# Altium PCB PCB_P1.5_Ble1026_806_050421.PcbDoc
Units mil, origin at the board's own origin, x right, y up, seen from the top; angles counter-clockwise.
Board outline 2432.09 x 1418.79 mil, 2 copper layers (Top Layer, Bottom Layer); 43 components, 35 nets, 181 pads, 80 vias.
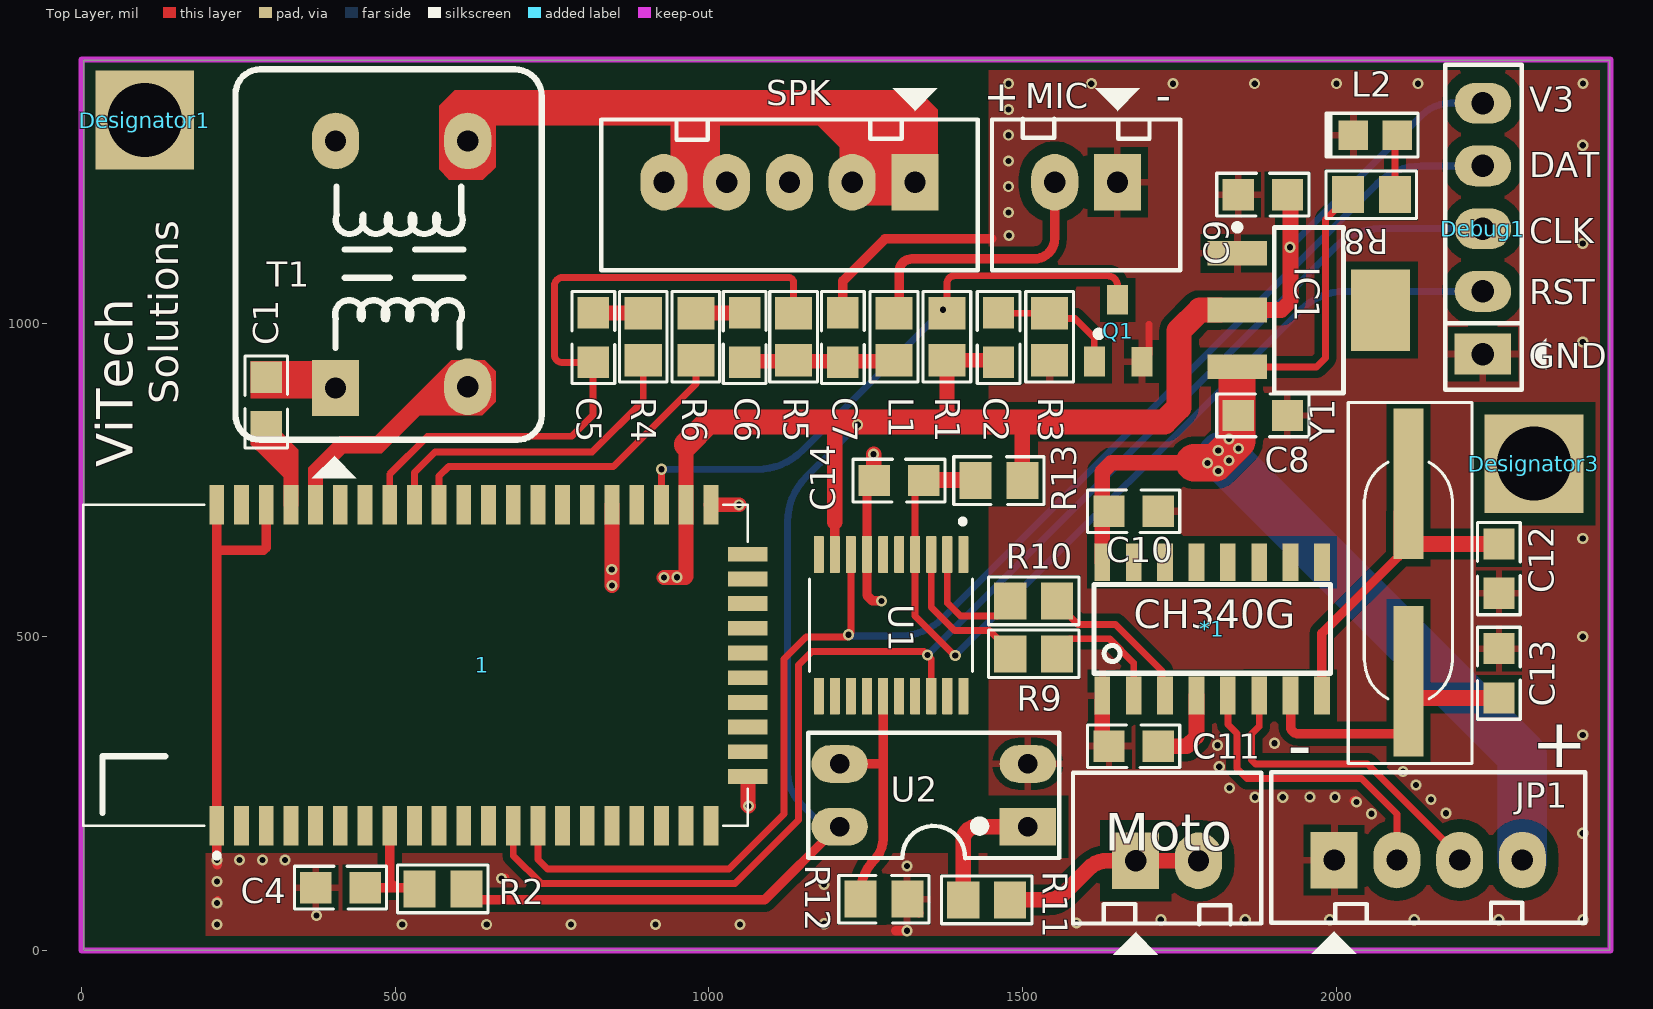
[diagram p0: Top Layer view]
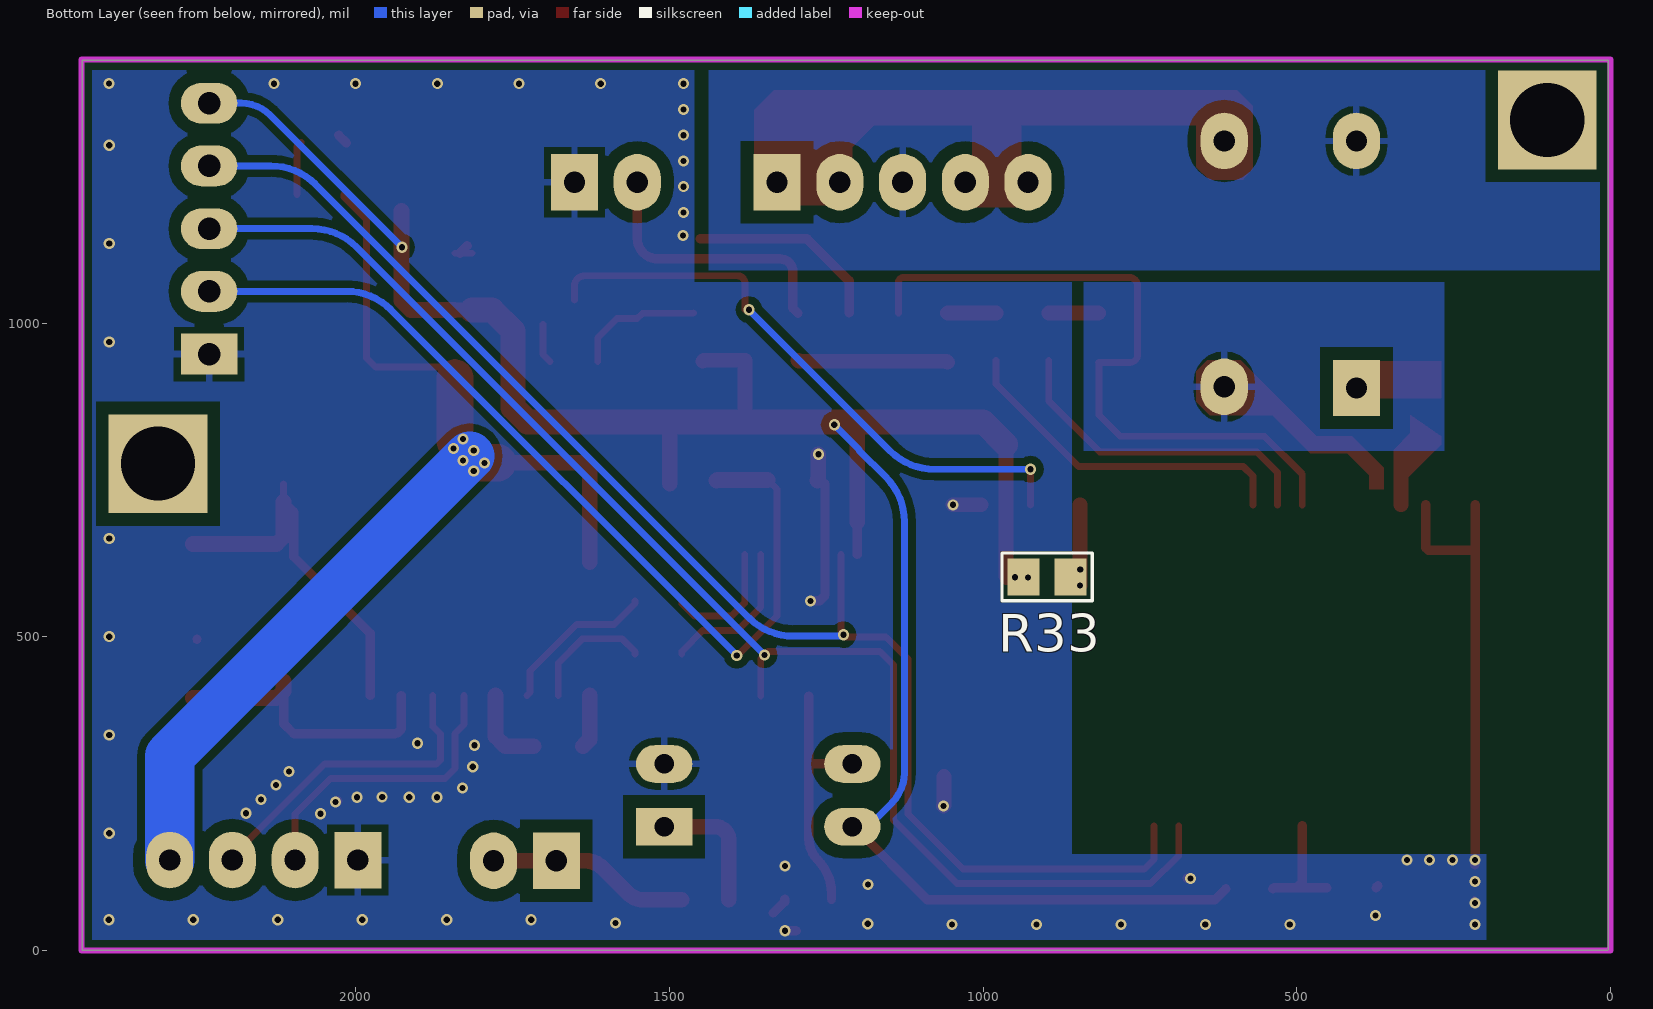
[diagram p1: Bottom Layer view, seen from below]
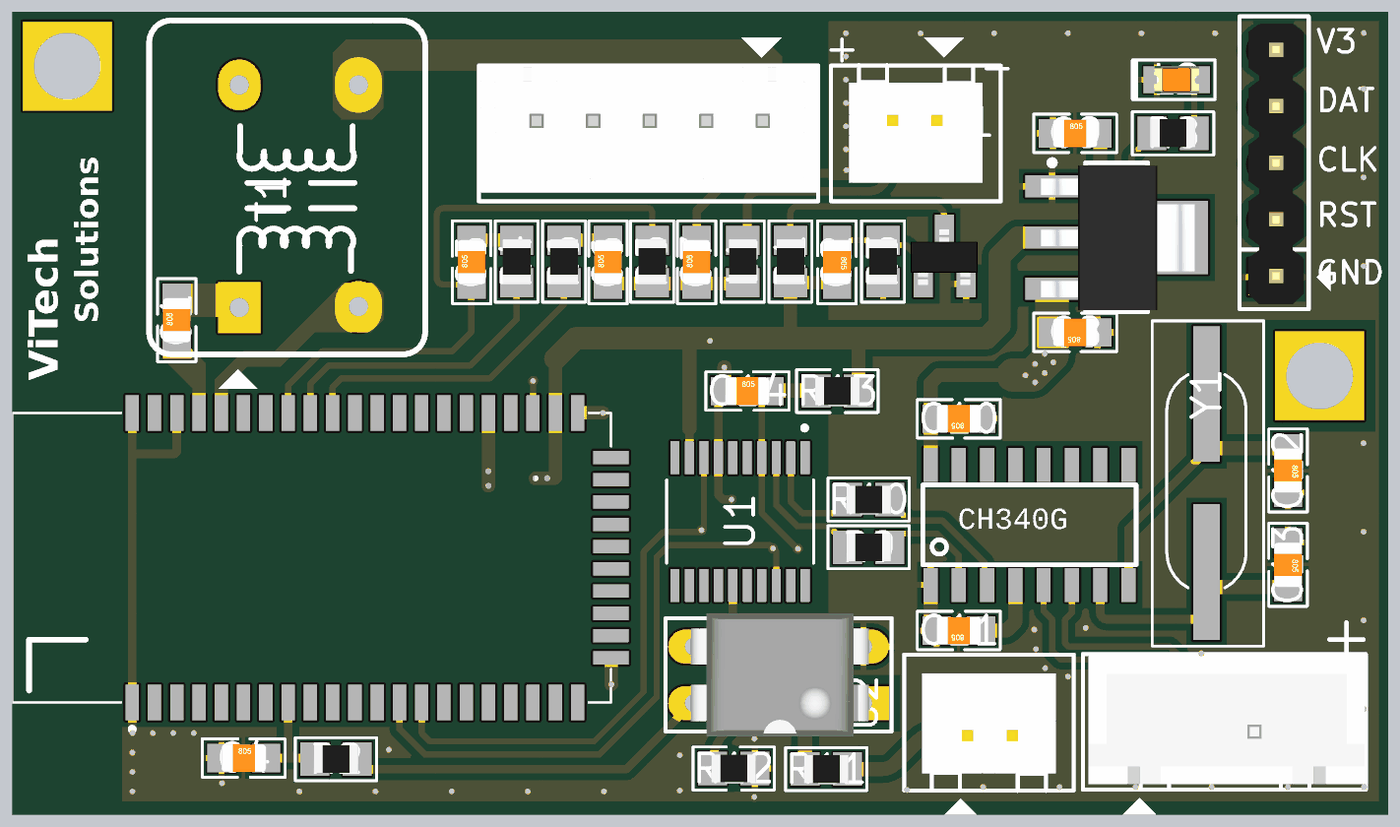
[diagram p2: 3D render of the assembled board from above, using the file's embedded part models]

## Layer stack, top to bottom
Top Solder: solder mask 0.4, Solder Resist, Dk 3.5
Top Layer: signal copper 1.4
Dielectric 1: dielectric 12.6, FR-4, Dk 4.8
Bottom Layer: signal copper 1.4
Bottom Solder: solder mask 0.4, Solder Resist, Dk 3.5

## Board outline
3.86,0.5 2435.94,0.5 2435.94,1419.29 3.86,1419.29

## Design rules (kind name [scope] priority, off if disabled: settings)
Clearance [All] p1: gap=12 except(20: THPad-THPad THPad-Fill THPad-Poly THPad-Region)
PlaneClearance [All] p1: clearance=39.37
PlaneConnect PlaneConnect_1 [All] p1: planeconnectstyle=Relief reliefexpansion=20 reliefentries=4 reliefconductorwidth=10 reliefairgap=10
PolygonConnect vias_connect [IsNamedPolygon('GND_BT_L01_P001') vs Isvia] p1: connectstyle=Direct reliefconductorwidth=10 reliefentries=4 polygonreliefangle="90 Angle" airgapwidth=10
PolygonConnect vias_connect_1 [IsNamedPolygon('GND_BT_L02_P000') vs Isvia] p2: connectstyle=Direct reliefconductorwidth=10 reliefentries=4 polygonreliefangle="90 Angle" airgapwidth=10
PolygonConnect Pad_connect [All] p3: connectstyle=Relief reliefconductorwidth=11 reliefentries=4 polygonreliefangle="90 Angle" airgapwidth=11
RoutingVias [All] p1: holewidth=9.84 width=17.72 viastyle="Through Hole" minholewidth=9.84 minwidth=17.72 maxholewidth=9.84 maxwidth=17.72
SolderMaskExpansion [All] p1: expansion=4
Width Width_1 [All] p1: maxlimit=59.06 minlimit=11 preferedwidth=47.24
28 further rules are at their usual default settings.

## Classes and differential pairs
net class Undefined: CLK DAT RX0 RX_PL

## Components (designator, comment, footprint, x,y, rotation, side; value= is the part's Value field where it differs from the comment)
1 "FSC-BT806" FSCBT806 548.35,444.68 r90 top locked
*1 "CH340G" CH340G 1802.05,512.64 r90 top
C1 "0.1µF" CAP_0805 294.41,874.52 r90 top
C2 "1uF" CAP_0805 1461.61,976.91 r270 top
C4 "100nF" CAP_0805 412.95,100.32 r0 top
C5 "0.1µF" CAP_0805 815.83,976.91 r90 top
C6 "0.1µF" CAP_0805 1056.89,976.91 r90 top
C7 "15pF" CAP_0805 1213.5,976.91 r90 top
C8 "1uF" CAP_0805 1882.81,852.84 r180 top
C9 "4.7uF" CAP_0805 1882.8,1204.82 r0 top
C10 "0.1uF" CAP_0805 1677.05,700.12 r180 top
C11 "0.1uF" CAP_0805 1677.05,325.79 r180 top
C12 "22pF" CAP_0805 2259.19,608.66 r270 top
C13 "22pF" CAP_0805 2259.19,441.97 r270 top
C14 "0.1uF" CAP_0805 1303.15,749.08 r0 top
Debug1 "JP5" JP5 2233.58,950.59 r90 top
Designator1 "Comment" VIT 100.83,1323.54 r0 top
Designator3 "Comment" VIT 2314.96,776.01 r0 top
IC1 "LM1117" SOT223-4N 1956.14,1020.81 r0 top
JP1 "" CON4 1996.54,144.21 r0 top
L1 "15nH" RES_0805 1294.96,978.28 r90 top
L2 "" LED_0805 2062.15,1299.56 r0 top
MIC "JP2" CON2 1651.18,1224.57 r180 top (schematic designator MIC1)
Moto "" CON2 1680.24,143.19 r0 top (schematic designator MC1)
Q1 "SI2302" SOT23A 1651.18,987.89 r0 top
R1 "10K" RES_0805 1379.41,978.28 r90 top
R2 "10K" RES_0805 575.94,98.31 r180 top
R3 "10K" RES_0805 1543.07,978.28 r270 top
R4 "1K" RES_0805 895.33,978.28 r270 top
R5 "2.2K" RES_0805 1135,978.28 r90 top
R6 "1K" RES_0805 979.09,978.28 r270 top
R8 "1K" RES_0805 2055.79,1204.73 r180 top
R9 "100R" RES_0805 1517.64,472.95 r0 top
R10 "100R" RES_0805 1517.64,557.32 r0 top
R11 "100R" RES_0805 1442.72,80.75 r0 top
R12 "100R" RES_0805 1278.98,81.85 r180 top
R13 "10K" RES_0805 1462.22,749.09 r180 top
R33 "0Ohm" RES_0805 898.01,595.57 r180 bottom
SPK "JP5" CON5 1328.34,1224.57 r180 top (schematic designator SPK1)
T1 "T_Adio" T_Adito 462.05,1089.53 r90 top locked
U1 "N76E003AT20" SOP65P640X120-20N 1290.35,518.46 r270 top
U2 "PC817" DIP4/W0.3 1508.31,197.44 r90 top
Y1 "12MHz" XTAL_314_240X47_SMD 2114.92,743.86 r270 top

## Footprints (in the part's own frame and the unit in brackets; to place one, negate y for a bottom-side part, rotate by r counter-clockwise, add the part's x,y. Pads: shape width x height; smd on the part's side, far side on the other; paste and mask are expansions set on the pad)
CAP_0805 [mil] "Ceramic Capacitor"
  rect 50x50 smd mask+3: 1(-39.37,0) 2(39.37,0)
  silkscreen extent -73,-34 73,34, body extent -39,-25 39,25, height 31
CH340G [mil]
  rect 60x25 smd: 1(-106.1,175) 2(-106.1,125) 3(-106.1,75) 4(-106.1,25) 5(-106.1,-25) 6(-106.1,-75) 7(-106.1,-125) 8(-106.1,-175) 9(106.1,-175) 10(106.1,-125) 11(106.1,-75) 12(106.1,-25) 13(106.1,25) 14(106.1,75) 15(106.1,125) 16(106.1,175)
  silkscreen extent -71,-189 71,189
CON2 [mil] "CON2"
  rect 75x90 hole 34: 1(0,0)
  oval 75x90 hole 34: 2(100,0)
  silkscreen extent -100,-150 200,140, body extent -68,-70 168,107, height 236
CON4 [mil] "B1205S"
  rect 75x90 hole 34: 1(0,0)
  oval 75x90 hole 34: 2(100,0) 3(200,0) 4(300,0)
  silkscreen extent -100,-150 400,140, body extent -90,-90 398,136, height 276
CON5 [mil] "CON5"
  rect 75x90 hole 34: 1(0,0)
  oval 75x90 hole 34: 2(100,0) 3(200,0) 4(300,0) 5(400,0)
  silkscreen extent -100,-150 500,140, body extent -101,-98 496,125, height 288
DIP4/W0.3 [mil] "4 PIN, W 300mil, Pin to pin 100mil"
  rect 60x90 hole 31: 1(0,0)
  oval 60x90 hole 31: 2(100,0) 3(100,300) 4(0,300)
  silkscreen extent -50,-50 150,350, body extent -59,-10 159,305, height 170
FSCBT806 [mm]
  rect 1.6x0.6 smd: 1(-6.25,8.45) 2(-6.25,7.45) 3(-6.25,6.45) 4(-6.25,5.45) 5(-6.25,4.45) 6(-6.25,3.45) 7(-6.25,2.45) 8(-6.25,1.45) 9(-6.25,0.45) 10(-6.25,-0.55) 11(-6.25,-1.55) 12(-6.25,-2.55) 13(-6.25,-3.55) 14(-6.25,-4.55) 15(-6.25,-5.55) 16(-6.25,-6.55) 17(-6.25,-7.55) 18(-6.25,-8.55) 19(-6.25,-9.55) 20(-6.25,-10.55) 21(-6.25,-11.55) 32(6.75,-11.55) 33(6.75,-10.55) 34(6.75,-9.55) 35(6.75,-8.55) 36(6.75,-7.55) 37(6.75,-6.55) 38(6.75,-5.55) 39(6.75,-4.55) 40(6.75,-3.55) 41(6.75,-2.55) 42(6.75,-1.55) 43(6.75,-0.55) 44(6.75,0.45) 45(6.75,1.45) 46(6.75,2.45) 47(6.75,3.45) 48(6.75,4.45) 49(6.75,5.45) 50(6.75,6.45) 51(6.75,7.45) 52(6.75,8.45)
  rect 0.6x1.6 smd: 22(-4.25,-13.05) 23(-3.25,-13.05) 24(-2.25,-13.05) 25(-1.25,-13.05) 26(-0.25,-13.05) 27(0.75,-13.05) 28(1.75,-13.05) 29(2.75,-13.05) 30(3.75,-13.05) 31(4.75,-13.05)
  silkscreen extent -7.55,-13.05 6.75,13.85, body extent -6.22,-13.08 6.73,13.84, height 0.25
JP5 [mil] "JP5"
  rect 65x90 hole 36: 1(0,0)
  oval 65x90 hole 36: 2(100,0) 3(200,0) 4(300,0) 5(400,0)
  silkscreen extent -57,-101 461,60, body extent -48,-53 448,45, height 323
LED_0805 [mm] "LED"
  rect 1.2x1.2 smd mask+0.076: A(0.889,0) K(-0.889,0)
  silkscreen extent -1.99,-0.89 1.73,0.89, body extent -1.01,-0.62 1.01,0.63, height 1.1
RES_0805 [mm] "Resister"
  rect 1.3x1.5 smd mask+0.076: 1(0.95,0) 2(-0.95,0)
  silkscreen extent -1.83,-0.97 1.83,0.97, body extent -1,-0.63 1,0.62, height 0.5
SOP65P640X120-20N [mm]
  rrect10% 1.48x0.41 smd: 1(-2.865,2.925) 2(-2.865,2.275) 3(-2.865,1.625) 4(-2.865,0.975) 5(-2.865,0.325) 6(-2.865,-0.325) 7(-2.865,-0.975) 8(-2.865,-1.625) 9(-2.865,-2.275) 10(-2.865,-2.925) 11(2.865,-2.925) 12(2.865,-2.275) 13(2.865,-1.625) 14(2.865,-0.975) 15(2.865,-0.325) 16(2.865,0.325) 17(2.865,0.975) 18(2.865,1.625) 19(2.865,2.275) 20(2.865,2.925)
  silkscreen extent -4.3,-3.3 1.87,3.3
SOT23A [mm] "SOT 23A"
  rect 0.85x1.2 smd: 1(-0.94,-1.245) 2(0.005,1.25) 3(0.985,-1.25)
  silkscreen extent -0.88,-0.25 -0.64,0, body extent -1.5,-1.3 1.5,1.2, height 1.06
SOT223-4N [mm] "SOT223, 4-Leads, Body 6.5x3.5mm, Pitch 2.3mm, Lead Span 7mm, IPC Medium Density"
  rect 2.4x1 smd: 1(-2.9,2.3) 2(-2.9,0) 3(-2.9,-2.3)
  rect 2.4x3.3 smd: 4(2.9,0)
  silkscreen extent -3.02,-3.35 1.4,3.47, body extent -3.39,-3.27 3.5,3.23, height 1.72
T_Adito [mil]
  rect 90x75 hole 34: 1(-192.91,57.09)
  oval 90x75 hole 34: 2(-190.94,-153.54) 3(200.79,-153.54) 4(200.79,57.09)
  silkscreen extent -337,-272 315,217
VIT [mm] "VIT"
  rect 4x4 hole 3: ""(0,0)
XTAL_314_240X47_SMD [mm] "CASE: TH"
  rect 6.096x1.2 smd: 1(0,0) 2(8,0)
  silkscreen extent -3.29,-2.44 11.32,2.57, body extent -2.99,-2.27 10.9,2.41, height 3.05

## Part data
C1 C5 C6 C7 C10 C11 C14: library part CAP_0.1uF-50V-5%-0805, "0.1µF ±5% 50V Ceramic Capacitor X7R 0805 (2012 Metric)"
C2 C8: library part CAP_1uF-50V-5%-0805, "1µF ±5% 50V Ceramic Capacitor X7R 0805 (2012 Metric)"
C4: library part CAP_1uF-50V-5%-0805, "100µF ±5% 50V Ceramic Capacitor X7R 0805 (2012 Metric)"
C9: library part CAP_1uF-50V-5%-0805, "4.7µF ±5% 50V Ceramic Capacitor X7R 0805 (2012 Metric)"
C12 C13: library part CAP_22pF-50V-5%-0805, "22pF ±5% 50V Ceramic Capacitor C0G, NP0 0805 (2012 Metric)"
IC1: "Available in 1.8V, 2.5V, 2.85V, 3.3V, 5V, and  Adjustable Versions"
JP1: library part Con4, "Connector 4"
L1: library part RES_1K-0.125W-1%-0805, "Conductor 15nH"
L2: library part LED-RED_10mA-0805, "Red 621nm LED Indication - Discrete 2V 0805 (2012 Metric)"
MIC Moto: library part Con2, "Connector 2"
Q1: library part DV3
R1 R2 R3 R4 R6: library part RES_10K-0.125W-1%-0805_1, "10 kOhms ±1% 0.125W, 1/8W Chip Resistor 0805 (2012 Metric) Moisture Resistant Thick Film"
R5: library part RES_10K-0.125W-1%-0805_1, "2.2kOhms ±1% 0.125W, 1/8W Chip Resistor 0805 (2012 Metric) Moisture Resistant Thick Film"
R8: library part RES_10K-0.125W-1%-0805_1, "1 kOhms ±1% 0.125W, 1/8W Chip Resistor 0805 (2012 Metric) Moisture Resistant Thick Film"
R9 R10: library part RES_0ohm-0.125W-1%-0805_1, "1000Ohms ±1% 0.125W, 1/8W Chip Resistor 0805 (2012 Metric) Moisture Resistant Thick Film"
R11 R12: library part RES_1K-0.125W-1%-0805, "1 kOhms ±1% 0.125W, 1/8W Chip Resistor 0805 (2012 Metric) Moisture Resistant Thick Film"
R13: library part RES_10MOHM-0.125W-1%-0805, "10K ±1% 0.125W, 1/8W Chip Resistor 0805 (2012 Metric) Automotive AEC-Q200, High Voltage Thick Film"
R33: library part RES_0ohm-0.125W-1%-0805_1, "0Ohms ±1% 0.125W, 1/8W Chip Resistor 0805 (2012 Metric) Moisture Resistant Thick Film"
SPK: library part Con5, "Connector 5"
T1: "Transformer Audio"
U1: "8051 N76 Microcontroller IC 8-Bit 16MHz 18KB _18K x 8_ FLASH 20-TSSOP"
U2: "Single Opto"
Y1: library part XTAL_8MHZ-LFXTAL030234, "Crystals 8MHz 22pF -20C 70C"

## Via types
v1: diameter 17.72, hole 9.84, Top Layer to Bottom Layer, tented both sides, 80 vias

## Nets (pads, with @x,y where several pads share a name; then routed paths per layer and width w, separated by ;. In a path a pad name is that pad's centre, name@x,y a point inside that pad or via, vN(x,y) a via of type N, cw(c..) or ccw(c..) an arc to the next point about the centre after c; other vN are vias at no path point)
3V3: 1.33 C2.2 C9.2 Debug1.5 IC1.2 R1.2 R2.2 R13.2 R33.2 U1.9 U2.4 | length 3772.6
  Top Layer w15: R2.2 630.9,80.75 1088.79,80.75 1205.48,197.44 U2.4 ; U1.9 1200.79,682.52
  Top Layer w23.62: v1(928.54,594.84) 962.58,594.84 963.7,595.96 1.33 963.7,806.47 ; 1379.92,842.56 1379.41,843.07 R1.2 1445.16,940.88 C2.2@1446.83,939.21 ; IC1.2@1814.41,1020.81 IC1.2
  Top Layer w25: 1200.79,682.52 1200.79,842.56 ; R13.2@1499.61,743.86 1499.61,842.06 1500.12,842.56 ; IC1.2 1912.4,1020.81 1927.05,1035.45 1927.05,1178.68
  Top Layer w39.37: 963.7,806.47 999.79,842.56 1379.92,842.56 1500.12,842.56 1726.19,842.56 1749.25,865.62 1749.25,987.89 1782.17,1020.81 IC1.2@1814.41,1020.81
  Bottom Layer w11: 1145.39,235.12 1165.23,215.29 ccw(c1208.31,258.37) U2.4 ; 1145.35,235.16 cw(c1193.28,283.02) 1125.55,283.02 1125.55,683.89 cw(c1225.55,683.89) 1154.84,754.6 1197.4,797.17 1197.4,798.27 v1(1237.09,837.95) ; v1(1925.91,1120.98) 2136.66,1331.74 cw(c2182.17,1286.24) 2182.17,1350.59 Debug1.5
  other v1: 949.28,595.07
CLK: 1.13 Debug1.3 U1.18 | length 2256.5
  Top Layer w11: 1.13 688.11,151.66 732.93,106.85 1041.84,106.85 1142.86,207.87 1142.86,455.12 1164.63,476.89 1342.53,476.89 v1(1348.43,470.99) 1354.33,465.09 U1.18
  Bottom Layer w11: v1(1348.43,470.99) 1998.74,1121.3 cw(c2069.45,1050.59) 2069.45,1150.59 Debug1.3
DAT: 1.14 Debug1.4 U1.8 | length 2289.4
  Top Layer w11: 1.14 727.48,144.82 742.45,129.85 1032.31,129.85 1119.86,217.4 1119.86,464.65 1155.11,499.89 v1@1219.91,499.89 ; v1@1226.36,506.34 U1.8@1226.36,631.24
  Bottom Layer w11: v1(1222.4,503.25) 1224.59,501.06 1302.44,501.06 ccw(c1302.44,601.06) 1373.15,530.35 2064.1,1221.3 cw(c2134.81,1150.59) 2134.81,1250.59 Debug1.4
DC_CHECK: R12.1 U1.15 U2.3 | length 402.7
  Top Layer w15: U2.3 1277.56,297.44 ; R12.1 1241.57,91.2 cw(c1317.41,91.2) 1263.78,144.82 ccw(c1230.52,178.08) 1277.56,178.08 1277.56,297.44 ; U1.15 1277.56,297.44
GND_BT: 1.1 1.22 1.32 1.50 1.52 *1.1 C4.1 C7.2 C8.1 C9.1 C10.1 C11.2 C12.2 C13.1 C14.1 Debug1.1 IC1.1 JP1.1 L2.K MIC.1 Q1.3 R3.1 R12.2 U1.7 U2.2 | length 1673.9
  Top Layer w11: v1@216.04,80.44 v1@217.14,81.54 ; Q1.3 1701.21,949.91 1701.21,998.16 ; IC1.1@1814.41,1111.36 1834.35,1111.36 IC1.1 ; v1@2392.78,1286.25 v1@2395.59,1283.44 ; v1@2392.78,1381.88 v1(2392.93,1382.03) ; v1@2393.82,1128.07 v1@2395.59,1128.07
  Top Layer w15: 1.52 215.67,638.04 ; v1@216.37,136.98 216.37,144.42 215.76,145.03 215.76,198.53 1.1 215.67,638.04 ; 1.50 294.41,642.28 290.16,638.04 215.67,638.04 ; C4.1@370.6,103.31 C4.1 ; v1(669.33,115.08) v1@675.04,115.08 ; C7.2 1213.5,1067.28 1280.47,1134.25 1450.67,1134.25 ; C14.1@1251.97,743.86 U1.7 1251.97,566.11 1260.76,557.33 v1(1275.2,557.33) ; 1297.6,31.54 v1(1315.47,31.54) ; R12.2 1316.37,77.91 R12.2@1334.47,59.82 ; IC1.1@1822.17,1123.54 IC1.1@1834.35,1111.36 ; L2.K@2014.64,1287.04 L2.K ; v1@2028.82,238.58 2030.35,238.58 v1(2032.05,236.89) ; v1(2151.1,240.55) v1@2151.89,240.55
  Top Layer w23.62: 1.32 v1(1047.85,710.43) ; 1.22 1062.13,231.42 v1(1063.03,230.51)
  Top Layer w25: v1(1262.52,791.09) 1262.52,750.35 C14.1 ; U2.2 U2.2@1523.44,297.44 ; *1.1 1627.05,336.41 1634.01,329.45 C11.2
  other v1: 216.04,41.32 511.14,41.32 645.77,41.32 780.41,41.32 915.04,41.32 1049.67,41.32 1183.78,42.8 1585.63,44.13 1720.25,49.17 1854.88,49.17 1989.51,49.17 2124.15,49.17 2258.78,49.17 2393.41,49.17 374.33,55.77 216.04,75.69 1183.66,105.35 216.04,110.05 1315.67,134.53 216.04,144.42 252.08,144.42 288.3,144.42 324.53,144.42 2392.64,187 2055.79,218.03 2175,218.94 1870.16,244.37 1914.49,244.37 1957.72,244.57 1997.76,244.37 1829.88,259.13 2126.85,263.7 2105.98,285.32 1813.39,292.99 1810.56,327.22 1901.42,330.35 2392.64,343.63 2392.64,500.27 2392.64,656.9 2392.64,970.17 2392.64,1126.81 1478.23,1139.61 1477.48,1176.42 1477.48,1217.46 1477.48,1258.51 2392.64,1283.44 1477.48,1299.56 1477.48,1340.61 1477.48,1381.65 1609.47,1381.65 1739.65,1381.65 1869.83,1381.65 2000.02,1381.65 2130.2,1381.65
Net1_8: 1.8 C4.2 R2.1 | length 189
  Top Layer w15: C4.2 500,100.32 ; 1.8 491.26,109.06 500,100.32 ; R2.1 536.53,100.32 500,100.32
Net1_34: 1.34 Q1.2 R1.1 | length 959
  Top Layer w11: 1.34 v1(924.33,767.05) ; R1.1@1379.41,1021.3 1379.41,1063.68 cw(c1391.24,1063.68) 1391.24,1075.51 1635.22,1075.51 cw(c1635.22,1059.35) 1651.38,1059.35 Q1.2
  Bottom Layer w11: v1(924.33,767.05) 1077.47,767.05 ccw(c1077.47,867.05) 1148.18,796.34 v1(1373.15,1021.3)
Net1_36: 1.36 R33.1 | length 128.8
  Top Layer w23.62: v1(845.59,581.6) 1.36
  other v1: 845.19,607.33
Net1_43: 1.43 R6.1 | length 553.5
  Top Layer w11: 1.43 570,756.14 585.35,771.5 847.6,771.5 979.1,903 R6.1
Net1_44: 1.44 R4.1 | length 528.3
  Top Layer w11: 1.44 530.63,761.73 563.39,794.5 814.02,794.5 895.33,875.81 R4.1
Net1_45: 1.45 C5.1 R5.1 | length 1116.8
  Top Layer w11: 1.45 491.26,759.13 551.77,819.65 780.76,819.65 814.96,853.85 814.96,936.68 C5.1 765.41,937.54 cw(c765.41,948.94) 754.02,948.94 754.02,1060.16 cw(c766.58,1060.16) 766.58,1072.72 1126.69,1072.72 cw(c1126.69,1064.41) 1135,1064.41 R5.1
Net1_48: 1.48 T1.2
Net1_49: 1.49 C1.1 | length 58.3
  Top Layer w23.62: 1.49 333.78,768.78
Net*1_2: *1.2 R9.1 | length 202.2
  Top Layer w11: R9.1 1555.04,476.89 1575.13,496.98 1638.69,496.98 1677.05,458.63 *1.2
Net*1_3: *1.3 R10.1 | length 257.1
  Top Layer w11: R10.1 1555.04,553.39 1588.45,519.98 1648.22,519.98 1722.44,445.76 1722.44,411.14 *1.3
Net*1_4: *1.4 C11.1 | length 132.2
  Top Layer w25: C11.1 1760.49,325.78 ccw(c1760.49,328.49) 1762.4,326.58 1777.05,341.22 *1.4
Net*1_5: *1.5 JP1.2 | length 480.8
  Top Layer w11: *1.5 1827.05,360.51 1841.97,345.59 1841.97,290.08 1857.61,274.44 2040.01,274.44 2096.54,217.91 JP1.2
Net*1_6: *1.6 JP1.3 | length 509
  Top Layer w11: *1.6 1877.05,357.07 1864.97,344.99 1864.97,303.88 1871.41,297.44 2049.54,297.44 2196.54,150.44 JP1.3
Net*1_7: *1.7 C13.2 Y1.2 | length 483.1
  Top Layer w15: *1.7 1927.05,357.58 ccw(c1939.03,357.58) 1939.03,345.59 2098.8,345.59 2114.92,361.71 Y1.2@2114.92,413.71 ; Y1.2 Y1.2@2126.73,440.71
  Top Layer w25: Y1.2 2114.92,413.71 2126.04,402.59 C13.2
Net*1_8: *1.8 C12.1 Y1.1 | length 599.6
  Top Layer w11: Y1.1@2114.92,715.41 Y1.1
  Top Layer w15: *1.8 1977.05,505.79 2098.8,627.54 2098.8,699.28 Y1.1@2114.92,715.41
  Top Layer w25: Y1.1@2114.92,715.41 2114.92,659.15 2126.04,648.03 C12.1
NetC1_2: C1.2 T1.1 | length 9.3
  Top Layer w25: T1.1@398.38,903.19 cw(c328.54,831.62) 399.25,902.33 T1.1
NetC2_1: C2.1 Q1.1 R3.2 | length 206.5
  Top Layer w11: C2.1 1462.22,1015.68 R3.2 1551.63,1007.13 1583.31,1007.13 1614.18,976.25 Q1.1
NetC5_2: C5.2 R4.2 | length 79.8
  Top Layer w23.62: C5.2 816.12,1015.98 895.04,1015.98 R4.2
NetC6_1: C6.1 C7.1 L1.2 R5.2 | length 239.5
  Top Layer w23.62: C6.1 1058.56,939.21 1293.29,939.21 L1.2
NetC6_2: C6.2 R6.2 | length 78
  Top Layer w23.62: R6.2 979.4,1015.98 1056.59,1015.98 C6.2
NetL1_1: L1.1 MIC.2 | length 437.6
  Top Layer w15: L1.1 1303.1,1023.82 1303.1,1082.24 cw(c1323.18,1082.24) 1323.18,1102.32 1518.39,1102.32 ccw(c1518.39,1135.12) 1551.18,1135.12 MIC.2
NetL2_A: L2.A R8.2 | length 86
  Top Layer w11: L2.A@2086.74,1288.09 2093.19,1281.64 R8.2
NetMC1_1: Moto.1 Moto.2 R11.1 | length 322.7
  Top Layer w25: R11.1 1540.98,80.75 ccw(c1540.98,114.79) 1565.05,90.72 1605.27,130.94 cw(c1634.84,101.37) 1634.84,143.19 Moto.1 Moto.2
NetR11_2: R11.2 U2.1 | length 210.4
  Top Layer w25: R11.2 1405.32,175.87 cw(c1426.88,175.87) 1426.88,197.44 U2.1
NetSPK1_1: SPK.1 SPK.2 SPK.4 SPK.5 T1.3 | length 160.5
  Top Layer w78.74: SPK.5@937.56,1224 SPK.4@1017.83,1224 ; 978.51,1235.92 978.51,1316.2
NetSPK1_3: SPK.3 T1.4 | length 4
  Top Layer w23.62: T1.4@404.96,1286.3 T1.4
NRST: C14.2 Debug1.2 R13.1 U1.4 | length 1471.6
  Top Layer w11: C14.2@1343.54,750.1 1328.74,735.3 U1.4 1328.74,533.27 1391.69,470.33 v1(1392.52,470.33)
  Top Layer w25: C14.2@1343.54,750.1 1423.8,750.1 R13.1
  Bottom Layer w11: v1(1392.52,470.33) 1943.5,1021.3 cw(c2014.21,950.59) 2014.21,1050.59 Debug1.2
RX0: R9.2 U1.3 | length 243
  Top Layer w11: U1.3 1354.33,547.2 1391.24,510.3 1446.83,510.3 1480.24,476.89 R9.2
RX_PL: R10.2 U1.2 | length 198.3
  Top Layer w11: U1.2 1379.92,554.14 1400.76,533.3 1460.15,533.3 1480.24,553.39 R10.2
VCC: *1.16 C8.2 C10.2 IC1.3 JP1.4 R8.1 | length 1744.9
  Top Layer w11: IC1.3 1968.63,930.26 1982.51,944.14 1982.51,1164.92 2018.38,1200.79 R8.1
  Top Layer w25: *1.16 1627.05,762.8 1641.69,777.44 1773.13,777.44 ; IC1.3 IC1.3@1842.72,929.5
  Top Layer w59.06: 1773.13,777.44 1807.37,777.44 1841.97,812.03 IC1.3@1841.97,912.59
  Bottom Layer w78.74: 1818.22,788.28 2296.54,309.96 JP1.4
  other v1: 1811.84,764.56 1794.86,777 1828.82,781.17 1811.84,797.08 1844.09,799.96 1828.82,815.13
pads on no net: 1.2 1.3 1.4 1.5 1.6 1.7 1.9 1.10 1.11 1.12 1.15 1.16 1.17 1.18 1.19 1.20 1.21 1.23 1.24 1.25 1.26 1.27 1.28 1.29 1.30 1.31 1.35 1.37 1.38 1.39 1.40 1.41 1.42 1.46 1.47 1.51 *1.9 *1.10 *1.11 *1.12 *1.13 *1.14 *1.15 Designator1. Designator3. IC1.4 U1.1 U1.5 U1.6 U1.10 U1.11 U1.12 U1.13 U1.14 U1.16 U1.17 U1.19 U1.20

## Polygon pours and split planes (outlines as drawn)
GND_BT on Bottom Layer "GND_BT_L02_P000" (solid, pour order 0): 1460.45,1419.29 1460.45,1064.96 858.74,1064.96 858.74,153.84 198.15,153.84 198.15,3.19 2434.41,3.19 2434.41,1419.29
NetSPK1_3 on Bottom Layer "NETSPK1_3_L02_P004" (solid, pour order 4): 6.12,1411.49 6.12,1084.27 1437.02,1084.27 1437.02,1411.49
Net1_48 on Bottom Layer "NET1_48_L02_P005" (solid, pour order 5): 265.26,1064.96 265.26,796.9 839.76,796.9 839.76,1064.96
GND_BT on Top Layer "GND_BT_L01_P001" (solid, pour order 1): 1446.22,1419.29 1446.22,154.96 197.74,154.96 197.74,23.4 2436.35,23.4 2436.35,1419.29

## Keep-outs
Keep-Out Layer:
  lines w10: 0,0 0,1420.2 2436.97,1420.2 2436.97,0 0,0

## Other copper
Top Layer:
  region net NetC1_2: 269.65,939.21 441.34,939.21 441.34,880.28 269.65,880.28
  region net Net1_49: 269.64,819.65 269.65,806.47 288.56,787.56 324.53,752.27 345.59,752.27 345.59,798.47 318.87,825.19 318.87,853.85
  region net Net1_48: 361.3,769.45 411.52,819.68 467.98,819.68 589.18,940.88 642.44,940.88 660.04,923.27 660.04,874.52 638.4,852.88 539.13,852.88 478.69,792.44 419.42,792.44 384.84,757.86 384.84,735.08 361.3,735.08
  region net NetSPK1_1: 570,1346.42 594.8,1371.22 1333.7,1371.22 1364.63,1340.3 1364.63,1188.24 1208.31,1188.24 1208.31,1280.3 1173.14,1315.47 660.04,1315.47 660.04,1248.82 639.92,1228.7 585.35,1228.7 585.35,1229.64 570,1244.99

## Silkscreen, mask and mechanical layers (free items; w line width, h text height)
Top Overlay:
  text "+" at 1437.75,1338.07 h50
  text "-" at 1711.93,1338.5 h50
  text "V3" at 2307.48,1336.65 h39.37
  text "DAT" at 2307.48,1232.64 h39.37
  text "CLK" at 2307.48,1127.6 h39.37
  text "RST" at 2307.48,1029.84 h39.37
  text "GND" at 2307.05,928.15 h39.37
  text "Solutions" at 170.29,870.93 h80 r90
  text "ViTech" at 100.83,769.91 h100 r90
  text "+" at 2310.41,291.78 h78.74
  text "-" at 1922.21,288.85 h78.74

## Dimensions
-5.43,1456.73 to 2431.54,1444.84 on Top Overlay
-29.76,1419.06 to -64.84,3.43 on Top Overlay